# Altium PCB V2_SkyLight.PcbDoc
Units mil, origin at the board's own origin, x right, y up, seen from the top; angles counter-clockwise.
Board outline 4405 x 3117 mil, 2 copper layers (Top Layer, Bottom Layer); 34 components, 28 nets, 126 pads, 4 vias.
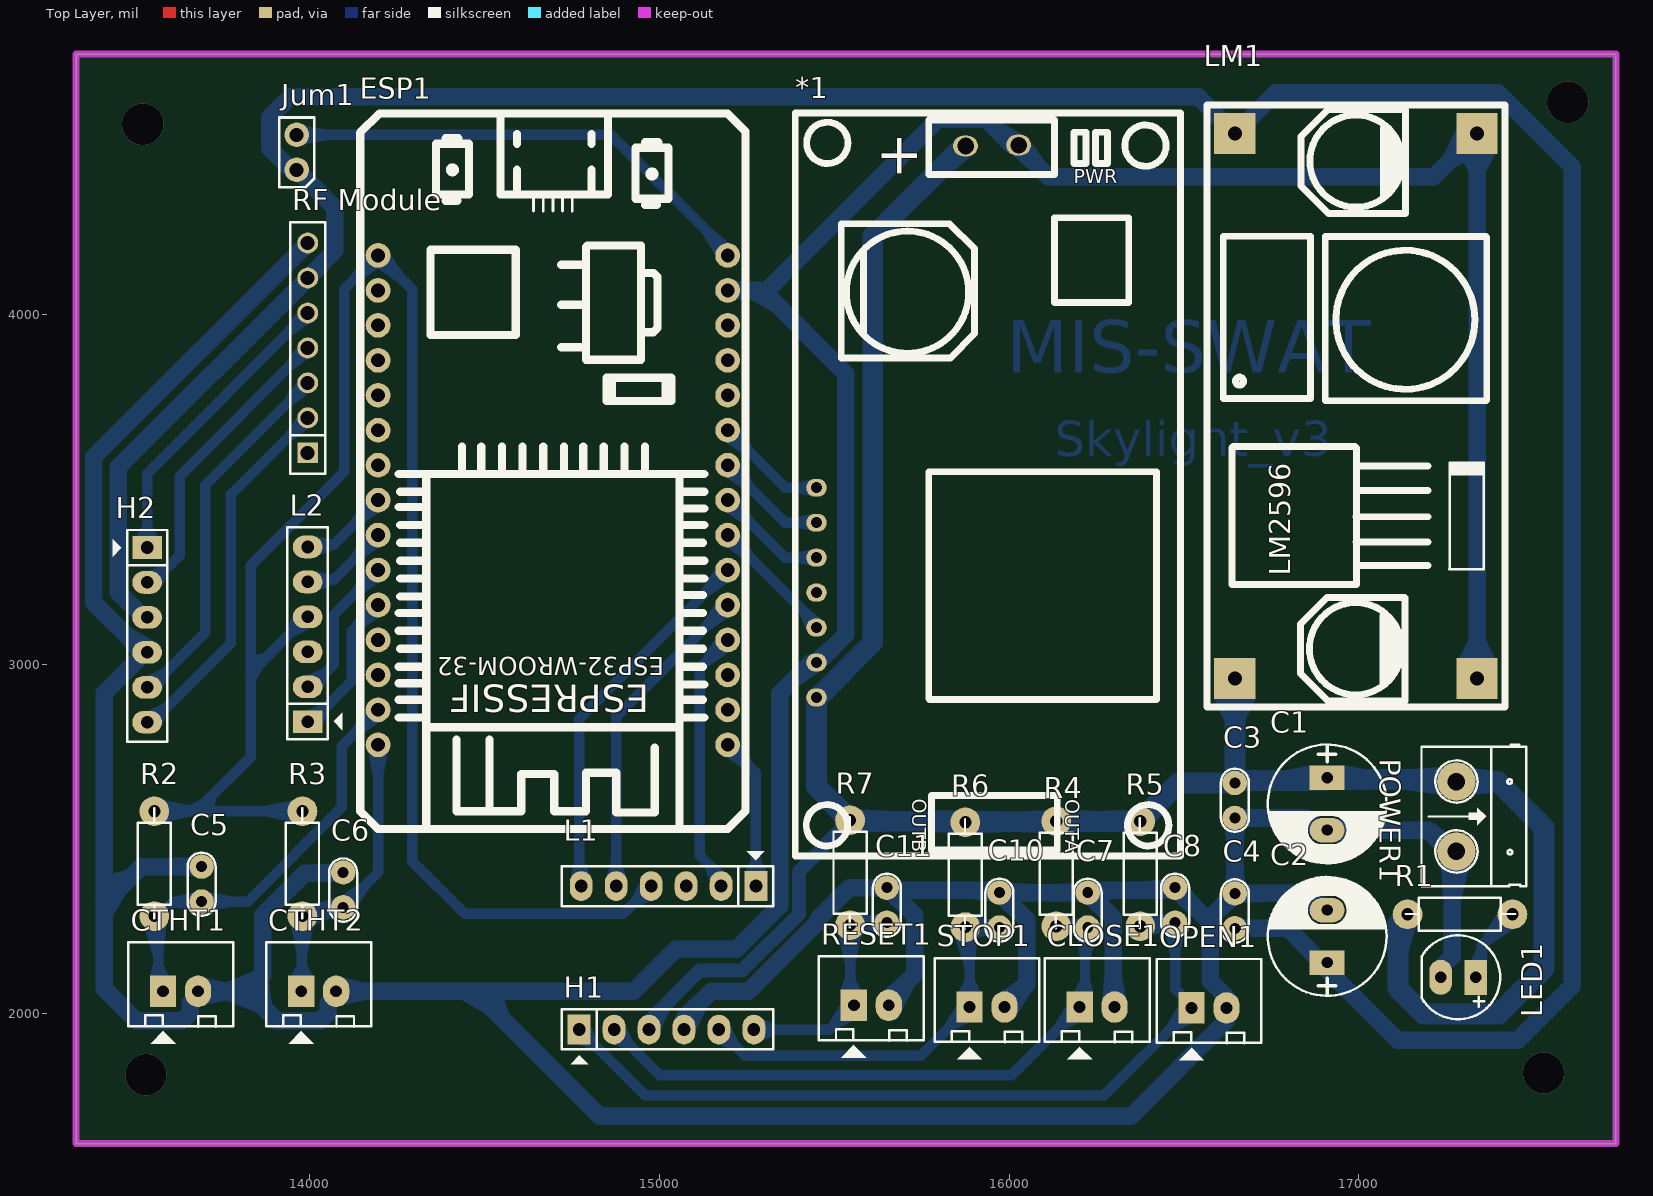
[diagram p0: Top Layer view]
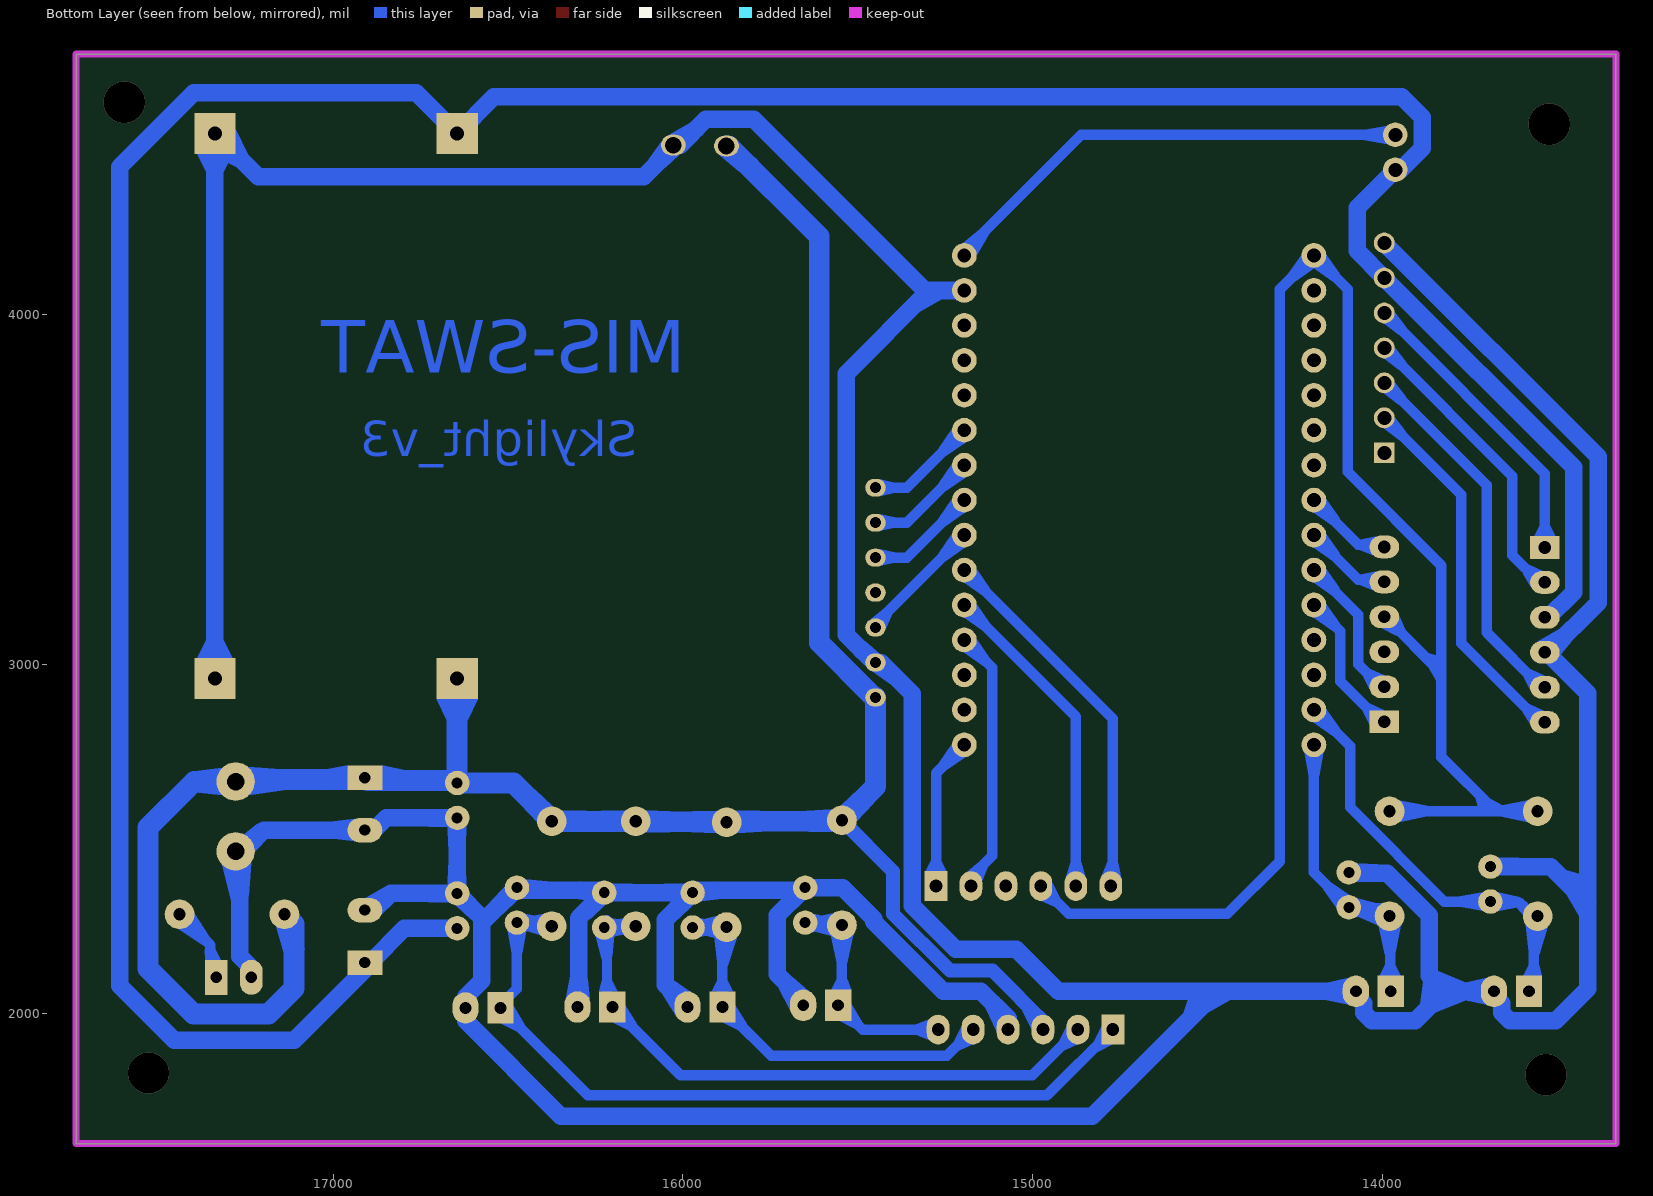
[diagram p1: Bottom Layer view, seen from below]
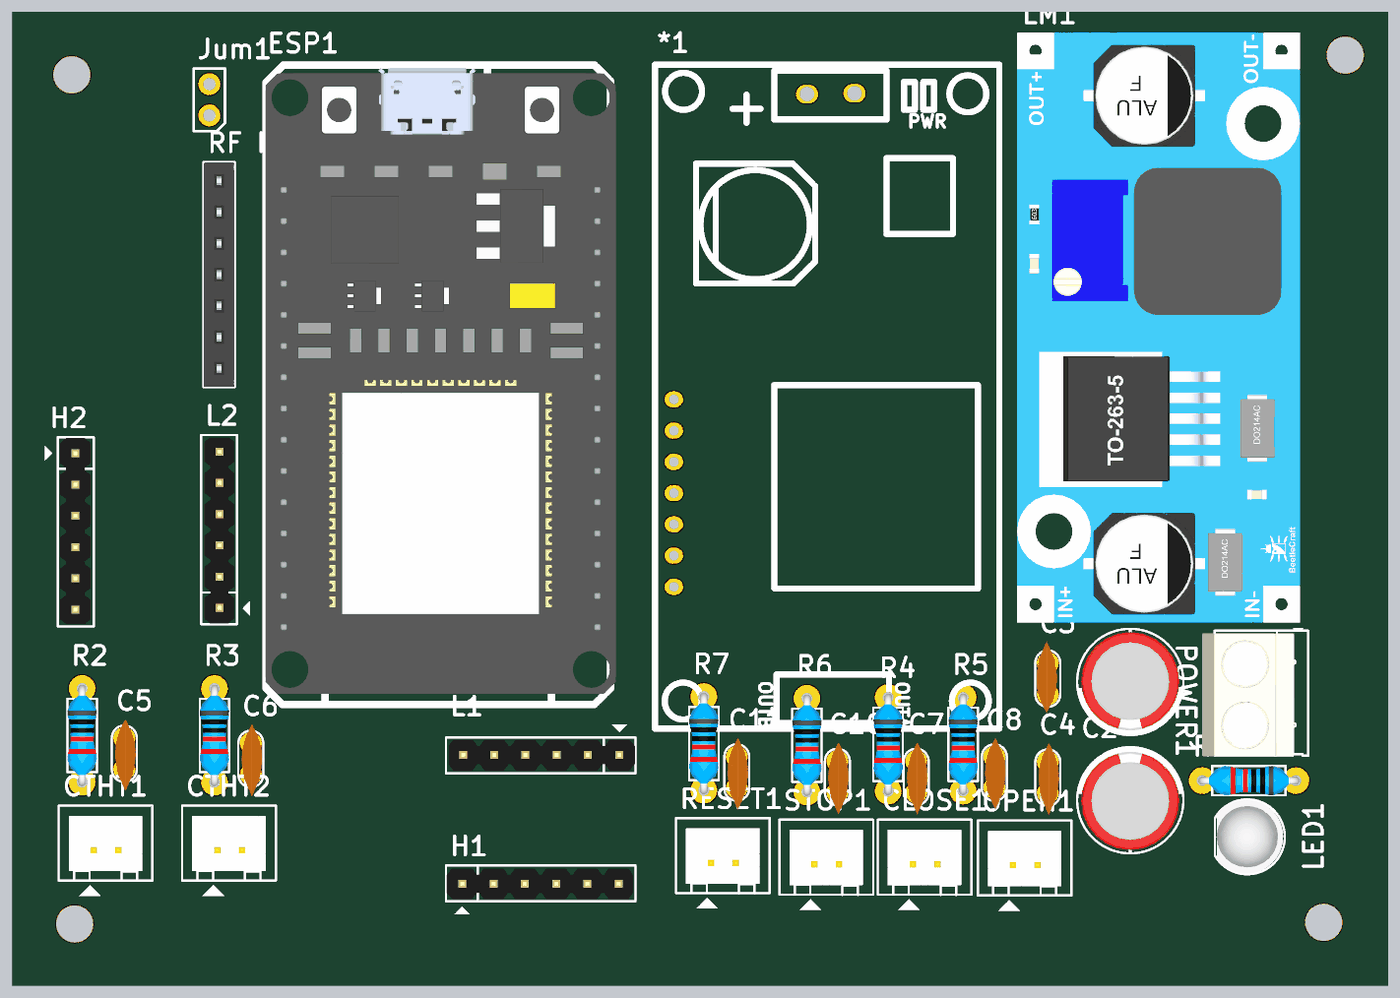
[diagram p2: 3D render of the assembled board from above, using the file's embedded part models]

## Layer stack, top to bottom
Top Solder: solder mask 0.4, Solder Resist, Dk 3.5
Top Layer: signal copper 1.4
Dielectric 1: dielectric 12.6, FR-4, Dk 4.8
Bottom Layer: signal copper 1.4
Bottom Solder: solder mask 0.4, Solder Resist, Dk 3.5

## Board outline
13331,1629 13331,4746 17736,4746 17736,1629

## Design rules (kind name [scope] priority, off if disabled: settings)
Clearance [All] p1: gap=10 ignorepadtopadclearanceinfootprint=FALSE
PolygonConnect [All] p1: connectstyle=Relief reliefconductorwidth=10 reliefentries=4 polygonreliefangle="90 Angle" airgapwidth=10
RoutingVias [All] p1: holewidth=28 width=50 viastyle="Through Hole" minholewidth=28 minwidth=50 maxholewidth=28 maxwidth=50
SolderMaskExpansion [All] p1: expansion=4
Width [All] p1: maxlimit=100 minlimit=10 preferedwidth=30 minimp=50.000000 maximp=50.000000 favimp=50.000000 // 20
30 further rules are at their usual default settings.

## Components (designator, comment, footprint, x,y, rotation, side; value= is the part's Value field where it differs from the comment)
*1 "VNH2SP30" VNH2SP30 15935.37,3514.56 r270 top
C1 "100uF/35V" CP1.5/3.4 16910,2675.99 r270 top value=100uF/35V/50V
C2 "100uF/35V" CP1.5/3.4 16910,2147.14 r90 top value=100uF/35V/50V
C3 "100pF" CN1 16645.94,2560.99 r90 top
C4 "100pF" CN1 16645.94,2345 r270 top
C5 "100pF" CN1 13690,2421.61 r270 top
C6 "100pF" CN1 14095,2405 r270 top
C7 "100pF" CN1 16224.86,2347.26 r270 top
C8 "100pF" CN1 16474.86,2361.48 r270 top
C10 "100pF" CN1 15972.39,2347.26 r270 top
C11 "100pF" CN1 15650.43,2361.48 r270 top
CLOSE1 "JP2" CON2 16201.94,2019.98 r0 top value="Connector 2"
CTHT1 "JP2" CON2 13580,2065 r0 top value="Connector 2"
CTHT2 "JP2" CON2 13975,2065 r0 top value="Connector 2"
ESP1 "ESP32-DEVKIT-V1-DOIT" ESP32-WROOM-32 14695,3470 r0 top
H1 "LG1" JP6 14770,1955.53 r0 top value=JP7
H2 "LG1" JP6 13534.2,3334.57 r270 top value=JP7
Jum1 "JP2" JP2-CLOSED 13962.21,4415 r180 top
L1 "LG2" JP6 15276,2366.06 r180 top value=JP7
L2 "LG2" JP6 13993.63,2836 r90 top value=JP7
LED1 "LED" LED-5-RED 17334.8,2105 r180 top value="LED 3 ly Single Colour"
LM1 "Mạch hạ áp" LM2596 16992.4,3739.09 r180 top
OPEN1 "JP2" CON2 16521.94,2017.35 r0 top value="Connector 2"
POWER1 "Header 2_1" HED2 17279.8,2665 r270 top value="Header 2"
R1 "1K" RES-1/4W-SMALL 17300,2285 r180 top
R2 "1K" RES-1/4W-SMALL 13555,2440 r270 top
R3 "1K" RES-1/4W-SMALL 13978.62,2440 r270 top
R4 "1K" RES-1/4W-SMALL 16135,2411.31 r270 top
R5 "1K" RES-1/4W-SMALL 16375,2411.31 r270 top
R6 "1K" RES-1/4W-SMALL 15875,2408.56 r270 top
R7 "1K" RES-1/4W-SMALL 15545,2414.24 r270 top
RESET1 "JP2" CON2 15555.87,2024.85 r0 top value="Connector 2"
"RF Module" "JP7" JP7-C1T 13993.63,3605.43 r90 top
STOP1 "JP2" CON2 15886.94,2019.98 r0 top value="Connector 2"

## Footprints (in the part's own frame and the unit in brackets; to place one, negate y for a bottom-side part, rotate by r counter-clockwise, add the part's x,y. Pads: shape width x height; smd on the part's side, far side on the other; paste and mask are expansions set on the pad)
CN1 [mil]
  round 70 hole 31: 1(0,0) 2(100,0)
  silkscreen extent -40,-40 141,40, body extent -60,-30 170,37, height 265
CON2 [mil] "CON2"
  rect 75x90 hole 34: 1(0,0)
  oval 75x90 hole 34: 2(100,0)
  silkscreen extent -100,-150 200,140, body extent -68,-70 168,107, height 236
CP1.5/3.4 [mil] "Tu hoa 220->470uF,16V, 470uF/16V,25V"
  rect 70x100 hole 32: 1(0,0)
  oval 70x100 hole 32: 2(150,0)
  silkscreen extent -95,-170 245,170, body extent -85,-157 230,157, height 446
ESP32-WROOM-32 [mm]
  round 1.8 hole 1: 1(-12.7,17.78) 2(-12.7,15.24) 3(-12.7,12.7) 4(-12.7,10.16) 5(-12.7,7.62) 6(-12.7,5.08) 7(-12.7,2.54) 8(-12.7,0) 9(-12.7,-2.54) 10(-12.7,-5.08) 11(-12.7,-7.62) 12(-12.7,-10.16) 13(-12.7,-12.7) 14(-12.7,-15.24) 15(-12.7,-17.78) 16(12.7,-17.78) 17(12.7,-15.24) 18(12.7,-12.7) 19(12.7,-10.16) 20(12.7,-7.62) 21(12.7,-5.08) 22(12.7,-2.54) 23(12.7,0) 24(12.7,2.54) 25(12.7,5.08) 26(12.7,7.62) 27(12.7,10.16) 28(12.7,12.7) 29(12.7,15.24) 30(12.7,17.78)
  silkscreen extent -14,-23.9 14,28.1, body extent -14.06,-23.06 14.44,27.87, height 10.72
HED2 [mil] "Header 2, 2 pin, hight 300mil, Pin to Pin 200, Colour Green"
  round 110 hole 50: 1(0,0) 2(200,0)
  silkscreen extent -106,-100 300,200, body extent -92,-140 302,155, height 394
JP2-CLOSED [mil]
  round 70 hole 40: 1(0,0) 2(0,-100)
  silkscreen extent -50,-150 50,50, body extent -50,-152 50,50, height 300
JP6 [mil] "JP6"
  rect 65x85 hole 36: 1(0,0)
  oval 65x85 hole 36: 2(100,0) 3(200,0) 4(300,0) 5(400,0) 6(500,0)
  silkscreen extent -50,-99 556,58, body extent -48,-50 548,48, height 323
JP7-C1T [mm] "7 row, straight, gold plating"
  rect 1.52x1.52 hole 1.02: 1(0,0)
  round 1.52 hole 1.02: 2(2.54,0) 3(5.08,0) 4(7.62,0) 5(10.16,0) 6(12.7,0) 7(15.24,0)
  silkscreen extent -1.52,-1.27 16.76,1.27, body extent -1.52,-1.25 16.76,1.25, height 8.51
LED-5-RED [mil] "LED 2 PIN, 5 ly , Only colour,pin to pin 100mil"
  rect 65x100 hole 32: 1(0,0)
  oval 65x100 hole 32: 2(100,0)
  silkscreen extent -70,-120 154,120, body extent -65,-119 149,118, height 339
LM2596 [mm]
  rect 3x3 hole 1: IN+(8.8,19.8) IN-(-8.8,19.8) OUT+(8.8,-19.8) OUT-(-8.8,-19.8)
  silkscreen extent -10.84,-21.88 10.82,21.86, body extent -11.7,-23.92 11.3,24.08, height 15.09
RES-1/4W-SMALL [mil]
  round 85 hole 35: 1(-140,0) 2(160,0)
  silkscreen extent -148,-47 166,47, body extent -152,-47 172,47, height 97
VNH2SP30 [mm]
  oval 1.3x1.5 hole 0.8: 1(0.232,-12.351) 2(2.772,-12.351) 3(5.312,-12.351) 4(7.852,-12.351) 5(10.392,-12.351) 6(12.932,-12.351) 7(15.472,-12.351)
  oval 1.5x1.8 hole 1.2: +(-24.6,-1.522) -(-24.669,2.332)
  silkscreen extent -27,-13.9 27,14.1, body extent -27.3,-14.09 27.3,13.91, height 14.3

## Part data
C1 C2: library part CP3, "Cap 100uF/35V - 470uF/16V", Description 1="1000uF/6,3V - 470uF/16V - 330uF - 25V", Description 2="220uF/35V - 100uF/50V - 63V - 4,7uF/200V", Description 3="22uF => 33uF100V - 3,3uF => 4,7uF/250V", Description 4="2,2uF =>3,3uF/350 - 2,2uF/400V - 1uF/450V"
C3 C4 C5 C6 C7 C8 C10 C11: library part CN1, "Cap np  1pF - 472pF"
CLOSE1 CTHT1 CTHT2 OPEN1 RESET1 STOP1: library part Con2, "Connector 2"
H1 H2 L1 L2: library part JP6, "JP6 PIN"
Jum1: "WR-PHD 2.54 mm Angled Socket Header", Manufacturer="Würth Elektronik eiSos GmbH", partNo=613002143121, ComponentLink1 Description=Manufacturer, ComponentLink1URL=http://www.we-online.com, ComponentLink2 Description=Datasheet, ComponentLink2URL=http://katalog.we-online.de/em/datasheet/6130xx143121.pdf, Created by="Karrer Zheng", Created Date="29 March 2013", NoPins=02
LED1: "LED Single colour Green and Red"
LM1: library part LM2596
POWER1: "Header, 2-Pin", Manufacturer="Generic Components", Class=Connector
R1 R2 R3 R4 R5 R6 R7: library part Res, "Res", Manufacturer="Generic Components", Class=Passive, Published=08/06/2000, Publisher="Altium Hobart Technology Centre", SubClass=R
"RF Module": "WR-PHD 2.54 mm Angled Socket Header", Manufacturer="Würth Elektronik eiSos GmbH", partNo=613007143121, ComponentLink1 Description=Manufacturer, ComponentLink1URL=http://www.we-online.com, ComponentLink2 Description=Datasheet, ComponentLink2URL=http://katalog.we-online.de/em/datasheet/6130xx143121.pdf, Created by="Karrer Zheng", Created Date="29 March 2013", NoPins=07

## Via types
v1: diameter 118.11, hole 118.11, Top Layer to Bottom Layer, 4 vias

## Nets (pads, with @x,y where several pads share a name; then routed paths per layer and width w, separated by ;. In a path a pad name is that pad's centre, name@x,y a point inside that pad or via, vN(x,y) a via of type N, cw(c..) or ccw(c..) an arc to the next point about the centre after c; other vN are vias at no path point)
+3.3: ESP1.1 L1.4 L2.4 R2.1 R3.1 | length 5011.7
  Bottom Layer w30: R2.1 13675,2580 ; R3.1 13675,2580 ; L2.4 13991,3136 13830,2975 ; L1.4 14896.55,2286.61 14442.5,2286.61 14292,2437.11 14292,4073 ESP1.1 14098,4073 14098,3550.69 13830,3282.69 13830,2975 ; 13675,2580 13830,2735 13830,2975
+5: "RF Module.6" C2.1 C4.2 H2.3 Jum1.1 LM1.OUT+ | length 9259.4
  Bottom Layer w50: H2.3 13524.2,3134.57 13452,3206.77 13452,3563.8 13993.63,4105.43 14071,4182.8 14071,4306.21 Jum1.1 13946,4415 13885,4476 13885,4565 13944,4624 16540.57,4624 LM1.OUT+ 16762.32,4635 17399,4635 17611,4423 17611,2081 17455,1925 17112,1925 16910,2127 C2.1 16895,2147.14 16797.14,2245 C4.2
+12: *1.7 *1.+ C1.1 C3.2 H1.3 LM1.IN+ POWER1.1 R1.2 R4.1 R5.1 R6.1 R7.1 | length 6578.6
  Bottom Layer w40: H1.3@14958.34,1967.19 15114.91,2123.76 15235.97,2123.76 15398.5,2286.28 15398.5,2407.74 R7.1
  Bottom Layer w60: *1.+ 15869.55,4483.07 15610,4223.52 15610,3062.38 15453.05,2905.43 *1.7 15449.11,2650.13 R7.1 15547.84,2551.4 15872.16,2551.4 R6.1 15876.38,2549.94 16133.62,2549.94 R4.1 R5.1 16484.68,2660.99 C3.2 ; LM1.IN+ C3.2 ; R1.2 17112,2257 17112,2073 17185,2000 17400.15,2000 17530,2129.85 17530,2533 17398,2665 POWER1.1 17274.31,2670.5 16915.5,2670.5 C1.1 16902.5,2668.49 16653.44,2668.49 C3.2
A: "RF Module.5" H2.1 | length 885.3
  Bottom Layer w30: 13993.63,4005.43 13534.2,3546 H2.1@13534.2,3344.57 ; H2.1@13534.2,3344.57 13544.2,3334.57 H2.1 H2.1@13534.2,3344.57
A_L: ESP1.8 L2.6 | length 261.5
  Bottom Layer w30: L2.6 L2.6@14000.33,3342.69 ; L2.6@14003.63,3346 L2.6@14000.33,3342.69 ; ESP1.8 14067.69,3342.69 L2.6@14000.33,3342.69
B: "RF Module.4" H2.2 | length 870.1
  Bottom Layer w30: H2.2 13549.37,3234.57 13627,3312.19 13627,3538.8 13993.63,3905.43
B_L: ESP1.9 L2.5 | length 256.9
  Bottom Layer w30: L2.5 14000.33,3242.69 14067.69,3242.69 ESP1.9
C: "RF Module.3" H2.5 | length 1093.7
  Bottom Layer w30: H2.5@13507.5,2934.57 H2.5 13544.2,2934.57 13701,3091.36 13701,3512.8 13993.63,3805.43
C_L: ESP1.10 L2.2 | length 423.3
  Bottom Layer w30: L2.2 14003.63,2936 14067.69,3000.06 14067.69,3142.69 ESP1.10
CLOSE: ESP1.20 L1.5 | length 911.6
  Bottom Layer w30: L1.5@14876,2390.53 14876,2851 ESP1.20
CLOSE_H: C7.2 CLOSE1.1 H1.2 R4.2 | length 1832.6
  Bottom Layer w30: H1.2 15000.53,1825 16006.96,1825 16171.94,1989.98 16179.44,1989.98 16201.94,2012.48 CLOSE1.1 16217.21,2035.25 C7.2@16217.21,2249.28 ; R4.2@16149.88,2251.31 R4.2 16137.03,2249.28 C7.2@16217.21,2249.28 ; C7.2@16217.21,2268.66 C7.2@16217.21,2249.28 ; C7.2 16222.83,2249.28 C7.2@16217.21,2249.28
CT1: C5.2 CTHT1.1 ESP1.14 R2.2 | length 1212.3
  Bottom Layer w30: CTHT1.1 13565.52,2079.48 13565.52,2269.48 R2.2 13569.88,2280 13610,2320.12 13688.51,2320.12 C5.2 13821.61,2321.61 14091.5,2591.5 14091.5,2766.5 ESP1.14
CT2: C6.2 CTHT2.1 ESP1.15 R3.2 | length 849.7
  Bottom Layer w30: CTHT2.1 13976.81,2066.81 13976.81,2278.19 R3.2 13993.5,2280 14015,2301.5 14091.5,2301.5 C6.2 14195,2405 ESP1.15
D: "RF Module.2" H2.6 | length 1092.8
  Bottom Layer w30: H2.6@13510.43,2834.57 H2.6 13539.34,2839.7 13552.7,2839.7 13773,3060 13773,3484.8 13993.63,3705.43
D_L: ESP1.11 L2.1 | length 423.3
  Bottom Layer w30: L2.1 14003.63,2836 14120,2952.36 14120,3095 ESP1.11
EN: *1.5 ESP1.22 | length 343
  Bottom Layer w30: ESP1.22 15195,3369.48 *1.5@15437.19,3127.29
GND: "RF Module.7" *1.6 *1.- C1.2 C2.2 C3.1 C4.1 C5.1 C6.1 C7.1 C8.1 C10.1 C11.1 CLOSE1.2 CTHT1.2 CTHT2.2 ESP1.29 H1.4 H2.4 LED1.2 LM1.IN- LM1.OUT- OPEN1.2 POWER1.2 RESET1.2 STOP1.2 | length 18752.8
  Bottom Layer w50: H2.4 H2.4@13528.26,3034.57 ; C5.1 13517,2421.61 13411,2315.61 ; 13993.63,4205.43 13381.81,3593.61 13381.81,3176.96 13524.2,3034.57 H2.4@13528.26,3034.57 ; C6.1 14093.09,2403.09 13985.03,2403.09 13865,2283.06 13865,2110 13820,2065 ; H1.4@15070,1987.48 15147.5,2064.98 15254.98,2064.98 15453.5,2263.5 15453.5,2272.35 15542.64,2361.48 C11.1 C11.1@15657.54,2354.37 ; ESP1.29 15295,4070 ; *1.6@15437.19,3005.43 15433.25,3005.43 15343.5,2915.68 15343.5,2309.06 15219.44,2185 15046,2185 14926,2065 14471,2065 ; *1.6 15453.05,3005.43 15533,3085.38 15533,3832 15295,4070 ; RESET1.2 15655.87,2039.91 15730,2114.04 15730,2281.91 C11.1@15657.54,2354.37 ; STOP1.2 16050,2083.04 16050,2269.64 C10.1 ; CLOSE1.2 16297.5,2024.41 16297.5,2274.62 C7.1 ; 16570,2269.06 16567.29,2269.06 C8.1 16467.75,2354.37 16231.97,2354.37 C7.1 ; C2.2 16884.18,2297.14 16836.32,2345 C4.1 ; LED1.2 17234.8,2131.97 17267.3,2164.47 17267.3,2452.5 POWER1.2 17260.36,2465 17199.37,2525.99 C1.2 16884.18,2525.99 16849.18,2560.99 C3.1 C4.1 ; LM1.IN- LM1.OUT- 17215.24,4395 16111.95,4395 16021.16,4485.78 16007.57,4485.78 15934.36,4559 15797,4559 15308,4070 15295,4070 ; 13411,2315.61 13411,2917.3 H2.4@13528.26,3034.57 ; 13411,2315.61 13411,2071.57 13502.57,1980 13634.07,1980 13657.5,2003.43 13657.5,2030.94 13680,2053.44 CTHT1.2 13820,2065 ; 13820,2065 13905,1980 14029.07,1980 14052.5,2003.43 14052.5,2030.94 14075,2053.44 CTHT2.2 14471,2065 ; 14471,2065 14829.05,1706.95 14983.4,1706.95 16296.46,1706.95 16348.88,1706.95 16621.94,1980 OPEN1.2 16621.94,2049.35 16575.94,2095.34 16575.94,2275 C4.1 ; C11.1@15657.54,2354.37 15965.27,2354.37 C10.1 ; C10.1 C7.1
INA: *1.3 ESP1.23 | length 318.3
  Bottom Layer w30: ESP1.23 15359.57,3305.43 *1.3@15437.19,3305.43 ; *1.3 *1.3@15457.1,3305.43
INB: *1.2 ESP1.24 | length 318.3
  Bottom Layer w30: ESP1.24 15359.57,3405.43 *1.2@15437.19,3405.43 ; *1.2 *1.2@15457.1,3405.43
NetESP1_30: ESP1.30 Jum1.2 | length 1381.6
  Bottom Layer w30: Jum1.2 14860,4515 15195,4180 ESP1.30
NetLED1_1: LED1.1 R1.1 | length 223.6
  Bottom Layer w30: LED1.1 17352.3,2122.5 17352.3,2197.3 R1.1
OPEN: ESP1.21 L1.6 | length 1055.5
  Bottom Layer w30: L1.6@14770,2390.53 14770,2845 ESP1.21
OPEN_H: C8.2 H1.1 OPEN1.1 R5.2 | length 2313.3
  Bottom Layer w30: H1.1 14958.53,1767 16271.59,1767 16491.94,1987.35 16499.44,1987.35 16521.94,2009.85 OPEN1.1 16521.94,2024.85 16474.86,2071.92 C8.2 16474.86,2266.74 16467.21,2259.09 16382.78,2259.09 R5.2
PWM: *1.1 ESP1.25 | length 318.3
  Bottom Layer w30: ESP1.25 15359.57,3505.43 *1.1@15437.19,3505.43 ; *1.1 *1.1@15457.1,3505.43
RE: ESP1.16 L1.1 | length 437.5
  Bottom Layer w30: ESP1.16 15276,2689 L1.1
RE_H: C11.2 H1.6 R7.2 RESET1.1 | length 644.6
  Bottom Layer w30: H1.6@15270,1955 15486.02,1955 15525.87,1994.85 15533.37,1994.85 RESET1.1@15555.87,2017.35 ; R7.2@15545,2244.83 15545,2035.72 RESET1.1 ; R7.2 15548.62,2257.86 15646.81,2257.86 C11.2
STOP: ESP1.19 L1.2 | length 787
  Bottom Layer w30: L1.2@15190.23,2347.26 15176,2361.48 L1.2 15176,2392.13 15115,2453.13 15115,2990 ESP1.19
STOP_H: C10.2 H1.5 R6.2 STOP1.1 | length 1137.1
  Bottom Layer w30: H1.5 15245.53,1880 15746.96,1880 15856.94,1989.98 15864.44,1989.98 15886.94,2012.48 15887.34,2019.95 15887.46,2022.12 R6.2@15887.46,2248.56 ; R6.2 R6.2@15887.46,2248.56 ; C10.2 15971.08,2248.56 R6.2@15887.46,2248.56
pads on no net: "RF Module.1" *1.4 ESP1.2 ESP1.3 ESP1.4 ESP1.5 ESP1.6 ESP1.7 ESP1.12 ESP1.13 ESP1.17 ESP1.18 ESP1.26 ESP1.27 ESP1.28 L1.3 L2.3
copper on no net:
  other v1: 13531,1826 17529,1831 13522,4545 17598,4608

## Keep-outs
Keep-Out Layer:
  the board outline again, w20

## Other copper
Bottom Layer:
  text "MIS-SWAT" at 15991.75,3834.57 h150
  text "Skylight_v3" at 16130,3595 h100

## Text inside footprints (layer, text, board x,y; h text height)
*1: Mechanical 2 "PWR" at 16181.58,4376.37 h39.37; Mechanical 2 "+" at 15631.38,4522.44 h118.11 r270; Mechanical 2 "OUTB" at 15718.66,2616.34 h39.37 r270; Mechanical 2 "OUTA" at 16156.07,2614.46 h39.37 r270; Top Overlay "+" at 15635.51,4522.44 h118.11 r270; Top Overlay "OUTA" at 16160.2,2614.46 h39.37 r270; Top Overlay "OUTB" at 15722.79,2616.34 h39.37 r270; Top Overlay "PWR" at 16185.71,4376.37 h39.37
ESP1: Mechanical 2 "ESP32-WROOM-32" at 15013.9,3021.18 h51.18 r180; Mechanical 2 "ESPRESSIF" at 14970.59,2942.44 h78.74 r180; Top Overlay "ESPRESSIF" at 14970.59,2942.44 h78.74 r180; Top Overlay "ESP32-WROOM-32" at 15013.9,3021.18 h51.18 r180
LM1: Mechanical 2 "LM2596" at 16803.03,3251.3 h60 r90; Top Overlay "LM2596" at 16804.61,3253.27 h60 r90